# Altium PCB PCB1.PcbDoc (part 2 of 4)
Units mm, origin at the board's own origin, x right, y up, seen from the top; angles counter-clockwise.
Board outline 125.6 x 103.5 mm, 2 copper layers (Top Layer, Bottom Layer); 202 components, 80 nets, 607 pads, 3510 vias.
Unrouted connection lines stored in the file: 2.
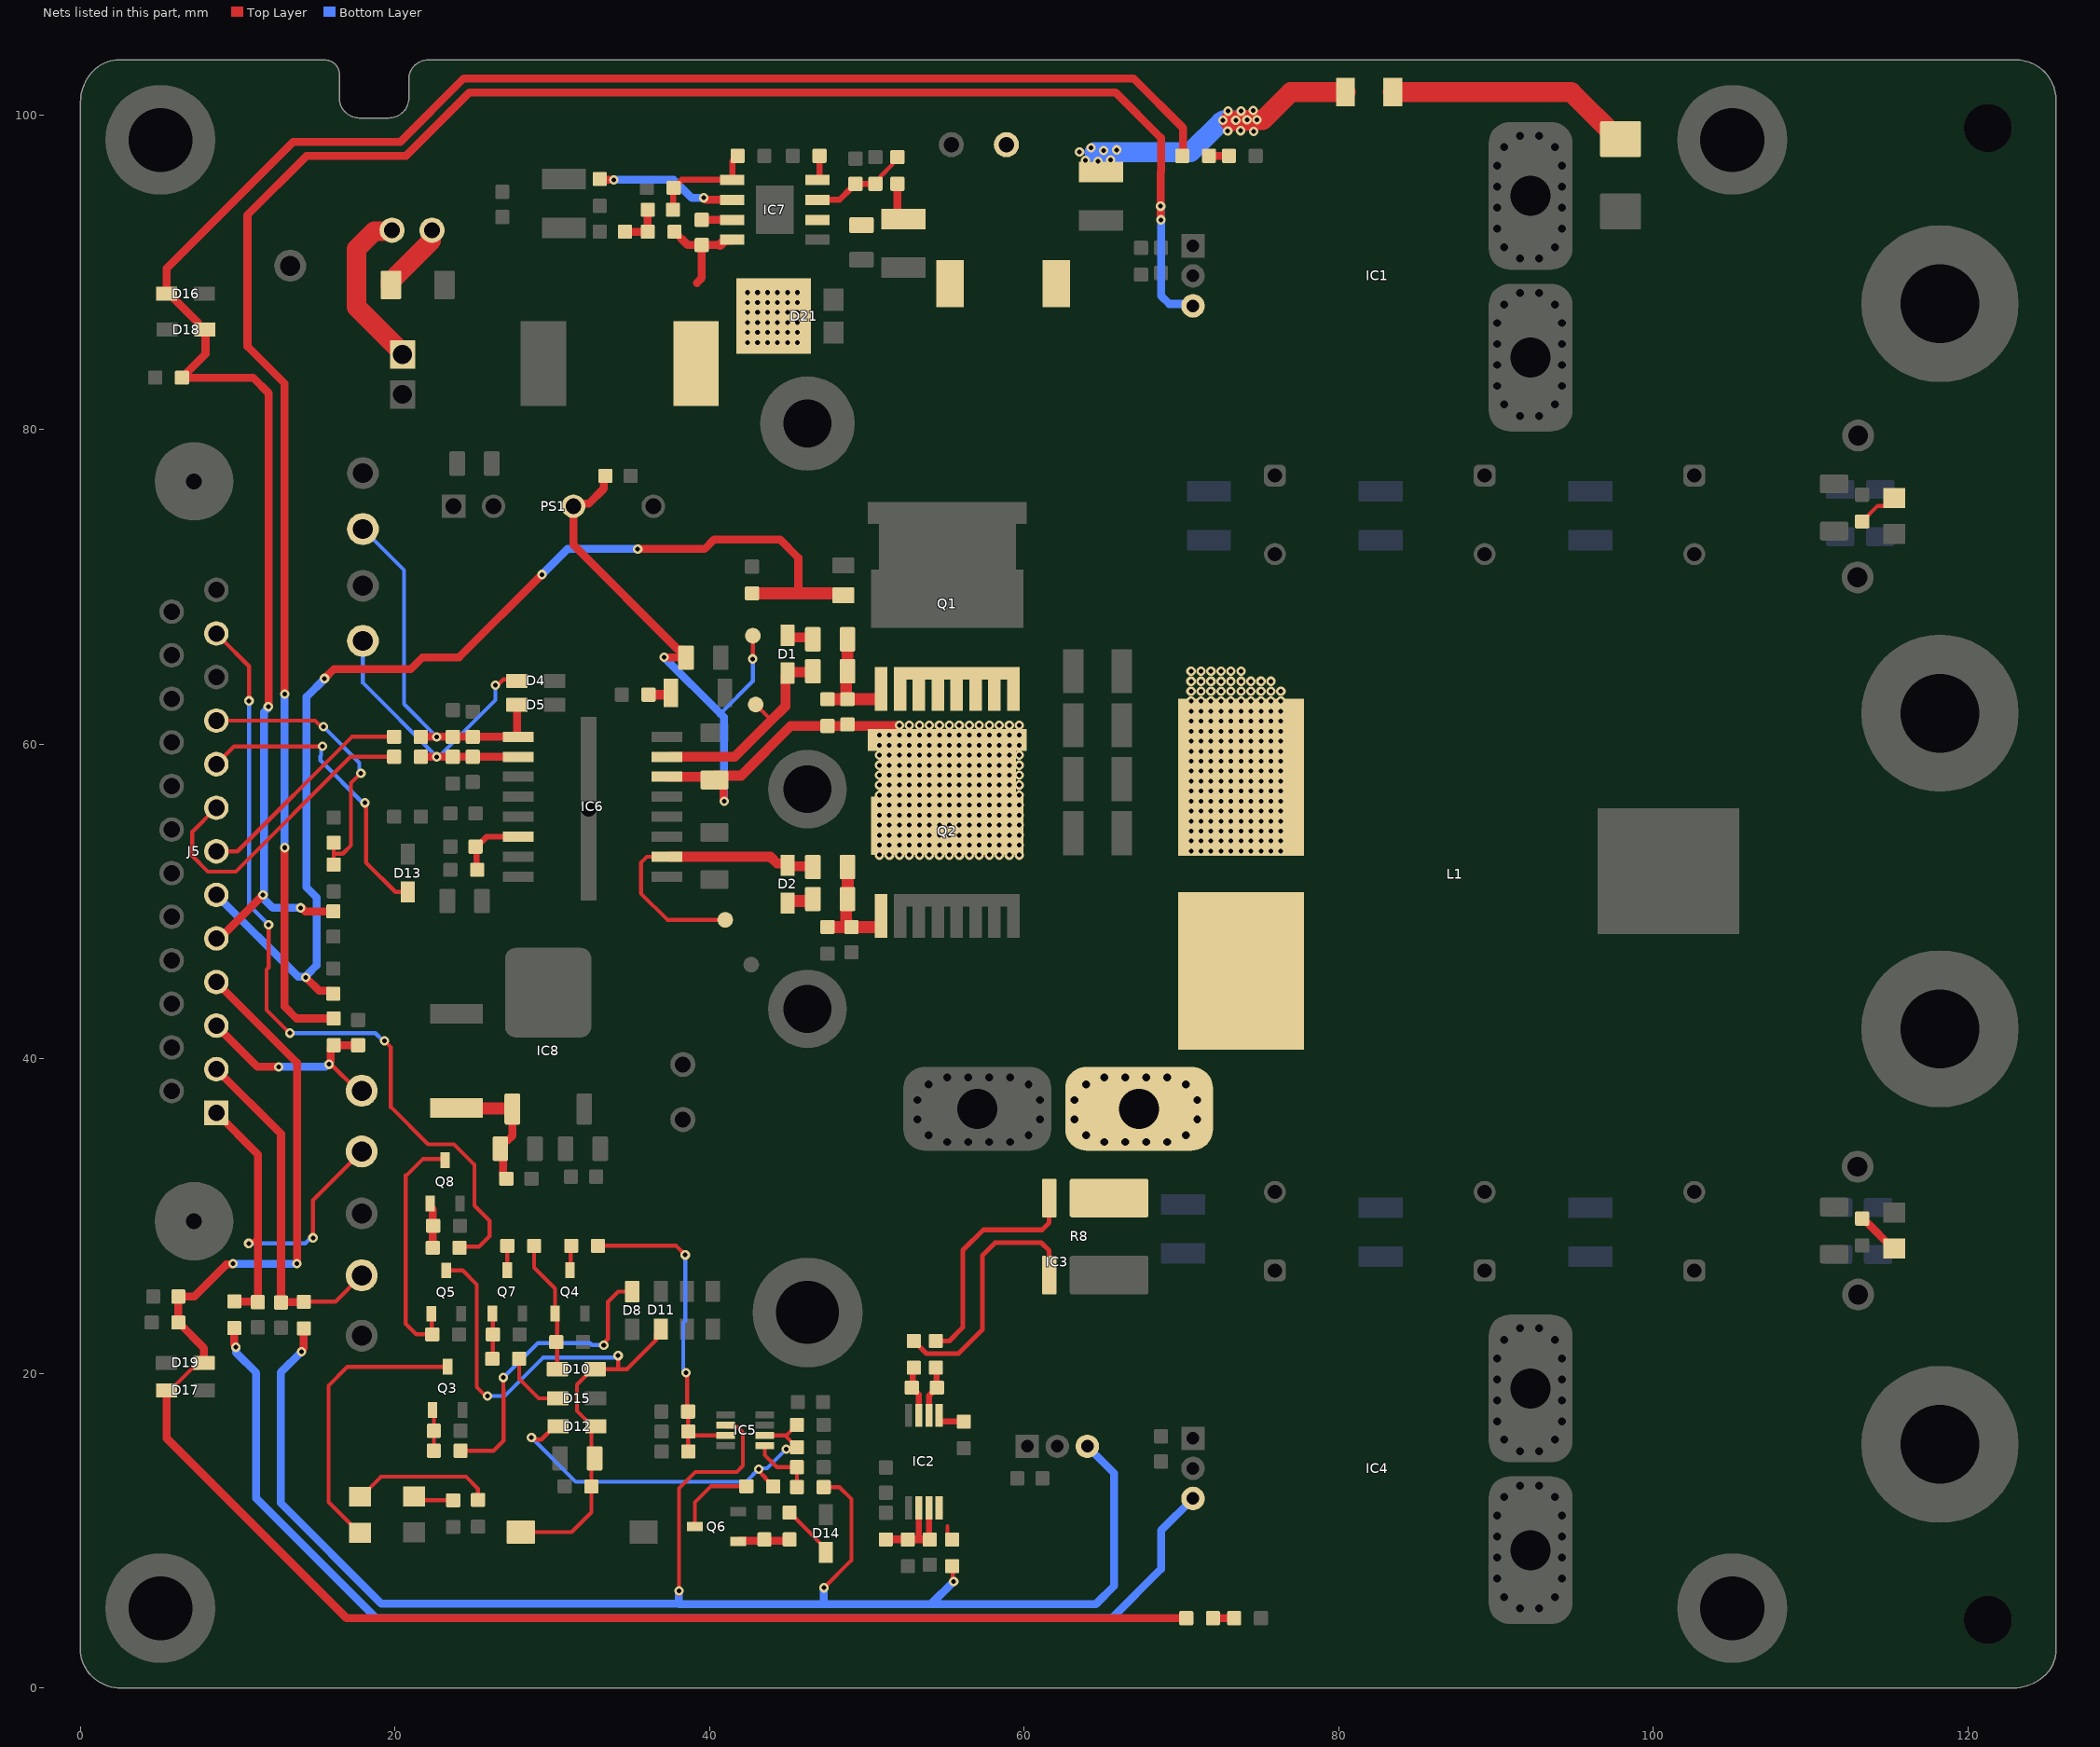
[diagram p2: the nets of this part, all layers, seen from the top]

## Via types
v1: diameter 0.6, hole 0.3, Top Layer to Bottom Layer, tented both sides, 3446 vias
v2: diameter 1.016, hole 0.762, Top Layer to Bottom Layer, tented both sides, 48 vias
v3: diameter 0.762, hole 0.762, Top Layer to Bottom Layer, tented both sides, 16 vias

## Nets (pads, with @x,y where several pads share a name; then routed paths per layer and width w, separated by ;. In a path a pad name is that pad's centre, name@x,y a point inside that pad or via, vN(x,y) a via of type N, cw(c..) or ccw(c..) an arc to the next point about the centre after c; other vN are vias at no path point) (continued)
EN/UVLO: C52.1 IC7.3 R59.1 R60.2 | length 6.3
  Top Layer w0.254: R60.2@50.546,95.631 50.869,95.954 50.869,96.102 51.62,96.853 51.62,97.135 R59.1@51.816,97.331
  Top Layer w0.381: IC7.3@46.863,94.615 48.26,94.615 49.02,95.375 C52.1@49.276,95.631 R60.2@50.546,95.631
FW_Reset: J5.12 R46.1 | length 52.2
  Top Layer w0.254: J5.12@8.636,67.046 8.9,67.046 8.9,66.782 10.719,64.963 v1(10.719,62.763) ; v1(11.963,48.535) 11.963,45.816 11.834,45.687 11.834,43.106 13.31,41.631 v1(13.319,41.64) ; v1(19.329,41.143) 19.736,40.736 19.736,36.932 22.099,34.568 23.75,34.568 25.044,33.274 25.044,30.674 26.01,29.709 26.01,28.727 25.349,28.067 24.171,28.067 R46.1@24.098,27.994
  Bottom Layer w0.254: v1(10.719,62.763) 10.719,49.78 v1(11.963,48.535) ; v1(13.319,41.64) 18.749,41.64 19.246,41.143 v1(19.329,41.143)
HI: J5.7 R28.1 | length 14.3
  Top Layer w0.254: J5.7@8.636,53.196 9.978,53.196 17.259,60.477 R28.1@19.94,60.477
HO: D1.2 IC6.15 R10.1 TP2.1 | length 13.8
  Top Layer w0.254: TP2.1@42.926,62.535 43.828,61.633 43.828,61.43
  Top Layer w0.635: IC6.15@37.541,59.207 41.605,59.207 43.828,61.43 44.825,62.428 44.825,64.396 D1.2@44.958,64.529 45.015,64.586 46.425,64.586 R10.1@46.482,64.643
HS: C14.1 C29.1 C61.1 C62.1 IC6.14 L1.1 PS1.4 Q1.2 Q1.3 Q1.4 Q1.5 Q1.6 Q1.7 Q1.8 Q1.A2 Q2.T1 Q2.T2 Q2.T3 R13.1 TP3.1 | length 51.7
  Top Layer w0.254: v1(42.748,65.43) TP3.1@42.748,66.904
  Top Layer w0.508: C62.1@33.376,77.064 33.277,76.965 33.277,76.254 32.311,75.288 31.498,75.288 PS1.4@31.344,75.133 31.344,72.669 37.985,66.028 38.26,66.028 38.506,65.782 C61.1@38.506,65.507 38.497,65.516 38.299,65.516 37.125,65.516 v1(37.116,65.526) ; C29.1@40.309,57.731 40.534,57.731 40.88,57.385 40.88,56.427 v1(40.926,56.382)
  Top Layer w0.635: IC6.14@37.287,57.937 40.055,57.937 40.182,57.81 40.386,58.014 42.012,58.014 45.163,61.165 R13.1@47.498,61.165 v1@51.865,61.165
  Bottom Layer w0.254: 40.691,61.951 42.748,64.008 v1(42.748,65.43)
  Bottom Layer w0.508: v1(37.116,65.526) 40.691,61.951 40.926,61.716 v1(40.926,56.382)
  other v1: 50.8,52.959 51.435,52.959 52.07,52.959 52.705,52.959 53.34,52.959 53.975,52.959 54.61,52.959 55.245,52.959 55.88,52.959 56.515,52.959 57.15,52.959 57.785,52.959 58.42,52.959 59.055,52.959 59.69,52.959 70.612,53.213 71.247,53.213 71.882,53.213 72.517,53.213 73.152,53.213 73.787,53.213 74.422,53.213 75.057,53.213 75.692,53.213 76.327,53.213 50.8,53.594 51.435,53.594 52.07,53.594 52.705,53.594 53.34,53.594 53.975,53.594 54.61,53.594 55.245,53.594 55.88,53.594 56.515,53.594 57.15,53.594 57.785,53.594 58.42,53.594 59.055,53.594 59.69,53.594 70.612,53.848 71.247,53.848 71.882,53.848 72.517,53.848 73.152,53.848 73.787,53.848 74.422,53.848 75.057,53.848 75.692,53.848 76.327,53.848 50.8,54.229 51.435,54.229 52.07,54.229 52.705,54.229 53.34,54.229 53.975,54.229 54.61,54.229 55.245,54.229 55.88,54.229 56.515,54.229 57.15,54.229 57.785,54.229 58.42,54.229 59.055,54.229 59.69,54.229 70.612,54.483 71.247,54.483 71.882,54.483 72.517,54.483 73.152,54.483 73.787,54.483 74.422,54.483 75.057,54.483 75.692,54.483 76.327,54.483 50.8,54.864 51.435,54.864 52.07,54.864 52.705,54.864 53.34,54.864 53.975,54.864 54.61,54.864 55.245,54.864 55.88,54.864 56.515,54.864 57.15,54.864 57.785,54.864 58.42,54.864 59.055,54.864 59.69,54.864 70.612,55.118 71.247,55.118 71.882,55.118 72.517,55.118 73.152,55.118 73.787,55.118 74.422,55.118 75.057,55.118 75.692,55.118 76.327,55.118 50.8,55.499 51.435,55.499 52.07,55.499 52.705,55.499 53.34,55.499 53.975,55.499 54.61,55.499 55.245,55.499 55.88,55.499 56.515,55.499 57.15,55.499 57.785,55.499 58.42,55.499 59.055,55.499 59.69,55.499 70.612,55.753 71.247,55.753 71.882,55.753 72.517,55.753 73.152,55.753 73.787,55.753 74.422,55.753 75.057,55.753 75.692,55.753 76.327,55.753 50.8,56.134 51.435,56.134 52.07,56.134 52.705,56.134 53.34,56.134 53.975,56.134 54.61,56.134 55.245,56.134 55.88,56.134 56.515,56.134 57.15,56.134 57.785,56.134 58.42,56.134 59.055,56.134 59.69,56.134 70.612,56.388 71.247,56.388 71.882,56.388 72.517,56.388 73.152,56.388 73.787,56.388 74.422,56.388 75.057,56.388 75.692,56.388 76.327,56.388 50.8,56.769 51.435,56.769 52.07,56.769 52.705,56.769 53.34,56.769 53.975,56.769 54.61,56.769 55.245,56.769 55.88,56.769 56.515,56.769 57.15,56.769 57.785,56.769 58.42,56.769 59.055,56.769 59.69,56.769 70.612,57.023 71.247,57.023 71.882,57.023 72.517,57.023 73.152,57.023 73.787,57.023 74.422,57.023 75.057,57.023 75.692,57.023 76.327,57.023 50.8,57.404 51.435,57.404 52.07,57.404 52.705,57.404 53.34,57.404 53.975,57.404 54.61,57.404 55.245,57.404 55.88,57.404 56.515,57.404 57.15,57.404 57.785,57.404 58.42,57.404 59.055,57.404 59.69,57.404 70.612,57.658 71.247,57.658 71.882,57.658 72.517,57.658 73.152,57.658 73.787,57.658 74.422,57.658 75.057,57.658 75.692,57.658 76.327,57.658 50.8,58.039 51.435,58.039 52.07,58.039 52.705,58.039 53.34,58.039 53.975,58.039 54.61,58.039 55.245,58.039 55.88,58.039 56.515,58.039 57.15,58.039 57.785,58.039 58.42,58.039 59.055,58.039 59.69,58.039 70.612,58.293 71.247,58.293 71.882,58.293 72.517,58.293 73.152,58.293 73.787,58.293 74.422,58.293 75.057,58.293 75.692,58.293 76.327,58.293 50.8,58.674 51.435,58.674 52.07,58.674 52.705,58.674 53.34,58.674 53.975,58.674 54.61,58.674 55.245,58.674 55.88,58.674 56.515,58.674 57.15,58.674 57.785,58.674 58.42,58.674 59.055,58.674 59.69,58.674 70.612,58.928 71.247,58.928 71.882,58.928 72.517,58.928 73.152,58.928 73.787,58.928 74.422,58.928 75.057,58.928 75.692,58.928 76.327,58.928 50.8,59.309 51.435,59.309 52.07,59.309 52.705,59.309 53.34,59.309 53.975,59.309 54.61,59.309 55.245,59.309 55.88,59.309 56.515,59.309 57.15,59.309 57.785,59.309 58.42,59.309 59.055,59.309 59.69,59.309 70.612,59.563 71.247,59.563 71.882,59.563 72.517,59.563 73.152,59.563 73.787,59.563 74.422,59.563 75.057,59.563 75.692,59.563 76.327,59.563 50.8,59.944 51.435,59.944 52.07,59.944 52.705,59.944 53.34,59.944 53.975,59.944 54.61,59.944 55.245,59.944 55.88,59.944 56.515,59.944 57.15,59.944 57.785,59.944 58.42,59.944 59.055,59.944 59.69,59.944 70.612,60.198 71.247,60.198 71.882,60.198 72.517,60.198 73.152,60.198 73.787,60.198 74.422,60.198 75.057,60.198 75.692,60.198 76.327,60.198 50.8,60.579 51.435,60.579 52.07,60.579 52.705,60.579 53.34,60.579 53.975,60.579 54.61,60.579 55.245,60.579 55.88,60.579 56.515,60.579 57.15,60.579 57.785,60.579 58.42,60.579 59.055,60.579 59.69,60.579 70.612,60.833 71.247,60.833 71.882,60.833 72.517,60.833 73.152,60.833 73.787,60.833 74.422,60.833 75.057,60.833 75.692,60.833 76.327,60.833 52.07,61.214 52.705,61.214 53.34,61.214 53.975,61.214 54.61,61.214 55.245,61.214 55.88,61.214 56.515,61.214 57.15,61.214 57.785,61.214 58.42,61.214 59.055,61.214 59.69,61.214 70.612,61.468 71.247,61.468 71.882,61.468 72.517,61.468 73.152,61.468 73.787,61.468 74.422,61.468 75.057,61.468 75.692,61.468 76.327,61.468 70.612,62.103 71.247,62.103 71.882,62.103 72.517,62.103 73.152,62.103 73.787,62.103 74.422,62.103 75.057,62.103 75.692,62.103 76.327,62.103 70.612,62.738 71.247,62.738 71.882,62.738 72.517,62.738 73.152,62.738 73.787,62.738 74.422,62.738 75.057,62.738 75.692,62.738 76.327,62.738 70.612,63.373 71.247,63.373 71.882,63.373 72.517,63.373 73.152,63.373 73.787,63.373 74.422,63.373 75.057,63.373 75.692,63.373 76.327,63.373 70.612,64.008 71.247,64.008 71.882,64.008 72.517,64.008 73.152,64.008 73.787,64.008 74.422,64.008 75.057,64.008 75.692,64.008 70.612,64.643 71.247,64.643 71.882,64.643 72.517,64.643 73.152,64.643 73.787,64.643
HW_Reset: C36.2 D10.1 D11.1 D12.1 Q5.3 R37.2 SW1.1 | length 41
  Top Layer w0.254: Q5.3@23.256,26.55 24.301,26.55 25.197,25.654 25.197,19.139 25.768,18.567 v1(25.883,18.567) ; SW1.1@28.002,9.916 31.227,9.916 32.487,11.176 R37.2@32.487,12.827 32.487,14.605 32.487,16.351 D12.1@32.772,16.637 32.547,16.637 31.564,17.62 31.564,19.296 32.173,19.905 32.173,19.946 32.496,20.269 D10.1@32.721,20.269 34.087,20.269 ; v1(34.188,21.133) 34.188,20.371 34.087,20.269 ; D11.1@36.906,22.822 36.583,22.499 36.583,22.105 34.747,20.269 34.188,20.269 34.087,20.269
  Bottom Layer w0.254: v1(25.883,18.567) 26.975,18.567 29.413,21.006 34.061,21.006 v1(34.188,21.133)
I_Inductor: IC3.3 IC5.2 R1.1 R25.2 R56.1 | length 105.8
  Top Layer w0.254: v1(38.049,6.172) 38.049,5.944 38.054,5.948 38.054,6.172 38.054,12.705 39.091,13.741 41.732,13.741 42.124,14.133 42.124,16.246 41.759,16.61 41.114,16.61 IC5.2@41.016,16.708 ; R25.2@47.255,12.776 48.26,12.776 49.022,12.014 49.022,8.128 v1(47.269,6.375) ; R1.1@55.423,7.749 55.474,7.698 55.474,6.833 v1(55.524,6.782)
  Top Layer w0.508: v1(14.046,21.387) 14.046,21.456 14.199,21.608 R56.1@14.199,22.862 ; R25.2@47.255,12.776 R25.2@47.262,12.769 ; v1@47.262,6.382 v1(47.269,6.375)
  Bottom Layer w0.508: v1(14.046,21.387) 12.725,20.066 12.725,11.773 19.142,5.356 38.049,5.356 v1(38.049,6.172) ; 38.071,5.334 47.269,5.334 ; v1(47.269,6.375) 47.269,5.334 ; v1(55.524,6.782) 54.077,5.334 ; IC3.3@64.018,15.367 65.732,13.653 65.732,6.499 64.567,5.334 54.077,5.334 ; 47.269,5.334 54.077,5.334
I_Input: IC1.3 R49.1 | length 130.5
  Top Layer w0.508: v1(12.979,63.195) 12.979,82.931 10.617,85.293 10.617,93.65 14.376,97.409 20.701,97.409 24.74,101.448 65.808,101.448 68.707,98.548 68.707,96.404 68.682,96.378 v1(68.682,94.209) 68.694,94.196 68.694,93.358 v1(68.707,93.345) ; v1(12.99,53.431) 12.979,53.42 12.979,43.321 13.732,42.569 R49.1@16.104,42.569
  Bottom Layer w0.508: v1(12.979,63.195) 12.985,63.19 12.985,53.436 v1(12.99,53.431) ; v1(68.682,94.209) 68.694,94.196 68.694,93.358 v1(68.707,93.345) 68.707,88.519 69.227,87.999 70.612,87.999 IC1.3@70.739,87.872
I_Output: IC4.3 R50.1 | length 78.7
  Top Layer w0.508: R50.1@9.779,22.885 9.779,21.837 9.881,21.735 v1(9.881,21.666)
  Bottom Layer w0.508: v1(9.881,21.666) 9.881,21.336 11.176,20.041 11.176,18.771 11.176,12.065 18.796,4.445 65.583,4.445 68.707,7.569 68.707,10.023 IC4.3@70.739,12.055
INA+: IC5.3 R19.2 R20.1 R24.1 R43.1 | length 21
  Top Layer w0.254: R43.1@32.904,28.118 37.871,28.118 v1(38.456,27.534) ; v1(38.504,20.056) 38.569,19.991 38.569,17.642 38.64,17.57 38.64,16.307 38.64,15.043 R20.1@38.646,15.037 ; R24.1@38.646,16.307 38.895,16.058 IC5.3@41.016,16.058
  Bottom Layer w0.254: v1(38.456,27.534) 38.456,23.337 38.329,23.21 38.329,20.056 v1(38.504,20.056)
INB-: D12.2 IC5.6 R21.2 R22.1 R36.2 | length 25.9
  Top Layer w0.254: v1(28.677,15.928) 28.814,15.928 28.948,15.794 29.304,15.794 30.147,16.637 D12.2@30.372,16.637 ; v1(43.134,13.926) 43.134,13.788 43.553,13.37 43.553,13.316 R36.2@44.042,12.827 ; IC5.6@43.516,16.058 44.813,16.058 ; v1(44.878,15.197) 44.937,15.256 45.495,15.256 45.495,15.376 44.813,16.058 ; R21.2@45.557,16.739 44.876,16.058 44.813,16.058
  Bottom Layer w0.254: v1(28.677,15.928) 31.488,13.117 42.325,13.117 v1(43.134,13.926) 43.183,13.975 43.655,13.975 v1(44.878,15.197)
LI: J5.8 R29.1 | length 20
  Top Layer w0.254: J5.8@8.636,55.966 7.112,54.442 7.112,52.898 8.102,51.908 9.871,51.908 17.17,59.207 R29.1@19.94,59.207
LO: D2.2 IC6.10 R17.1 TP5.1 | length 19.2
  Top Layer w0.254: IC6.10@37.287,52.857 36.017,52.857 35.636,52.476 35.636,50.521 37.313,48.844 TP5.1@40.996,48.844
  Top Layer w0.635: IC6.10@37.501,52.857 43.866,52.857 44.298,52.426 44.843,52.426 D2.2@44.958,52.311 ; D2.2@45.015,52.479 45.015,52.254 46.425,52.254 R17.1@46.482,52.197
NetC5_1: C5.1 IC2.2 R3.1 | length 3.3
  Top Layer w0.381: IC2.2@53.944,17.34 53.944,18.588 C5.1@54.457,19.101 ; C5.1@54.419,19.139 R3.1@54.419,20.333
  Top Layer w0.508: R3.1@54.381,20.371 R3.1@54.419,20.333 ; C5.1@54.419,19.139 C5.1@54.457,19.101
NetC5_2: C5.2 IC2.3 R6.1 | length 3.3
  Top Layer w0.381: C5.2@52.857,19.101 53.294,18.664 IC2.3@53.294,17.34 ; C5.2@52.921,19.164 R6.1@52.921,20.307
  Top Layer w0.508: C5.2@52.857,19.101 C5.2@52.921,19.164 ; R6.1@52.921,20.307 R6.1@52.984,20.371
NetC6_2: C6.2 IC2.6 IC2.7 R4.2 R5.2 | length 6.9
  Top Layer w0.381: IC2.6@53.294,11.464 53.294,9.456 53.302,9.449 ; IC2.7@53.944,11.464 53.944,9.505 C6.2@54,9.449
  Top Layer w0.508: R4.2@51.206,9.449 R5.2@52.603,9.449 53.302,9.449 C6.2@54,9.449
NetC14_2: C14.2 Q1.1 R7.2 R10.2 R13.2 | length 7.2
  Top Layer w0.762: R13.2@47.498,62.865 C14.2@48.768,62.865 ; R10.2@48.682,64.643 48.682,62.951 C14.2@48.768,62.865 ; R10.2@48.768,64.643 R7.2@48.768,66.675 ; Q1.1@50.899,62.865 C14.2@48.768,62.865
NetC28_2: C28.2 Q2.1 R15.2 R17.2 R18.2 | length 8.1
  Top Layer w0.762: R18.2@47.498,48.387 C28.2@49.022,48.387 ; R15.2@48.682,50.165 48.682,48.727 C28.2@49.022,48.387 ; R15.2@48.768,50.165 48.791,50.188 48.791,52.174 R17.2@48.768,52.197 ; Q2.1@50.918,49.083 50.918,48.406 50.899,48.387 C28.2@49.022,48.387
NetC32_1: C32.1 J5.10 R31.2 | length 18.5
  Top Layer w0.254: J5.10@8.636,61.506 14.912,61.506 15.306,61.112 v1(15.443,61.112) ; R31.2@16.104,52.349 16.104,53.048 ; C32.1@16.104,53.746 16.104,53.048 ; v1(17.831,58.166) 17.818,58.166 17.196,57.544 17.196,53.569 16.675,53.048 16.104,53.048
  Bottom Layer w0.254: v1(15.443,61.112) 17.734,58.822 17.734,58.263 v1(17.831,58.166)
NetC33_1: C33.1 D4.1 IC6.2 R29.2 R32.2 TP11.1 | length 22.6
  Top Layer w0.254: v1(26.383,63.754) 26.521,63.754 26.894,64.128 D4.1@27.197,64.128
  Top Layer w0.508: R29.2@21.64,59.207 v1(22.656,59.207) R32.2@23.672,59.207 C33.1@24.942,59.207 IC6.2@27.837,59.207
  Bottom Layer w0.254: TP11.1@17.958,66.573 17.958,63.906 v1(22.656,59.207) 22.75,59.207 22.914,59.371 22.948,59.371 26.383,62.807 v1(26.383,63.754)
NetC34_1: C34.1 D5.1 IC6.1 R28.2 R33.2 TP9.1 | length 23.4
  Top Layer w0.508: R28.2@21.64,60.477 v1(22.656,60.477) R33.2@23.672,60.477 C34.1@24.942,60.477 IC6.1@27.757,60.477 ; D5.1@27.749,62.509 27.749,60.485 IC6.1@27.757,60.477 ; IC6.1@27.837,60.477 IC6.1@27.757,60.477
  Bottom Layer w0.254: TP9.1@17.958,73.685 20.574,71.069 20.574,62.56 v1(22.656,60.477)
NetC38_2: C38.2 IC6.6 R42.2 | length 4.4
  Top Layer w0.381: R42.2@25.22,52.019 25.17,52.069 25.17,53.467 25.831,54.127 IC6.6@27.837,54.127
NetC39_2: C39.2 J5.3 R49.2 TP13.1 | length 14
  Top Layer w0.254: v1(15.802,39.654) 15.94,39.654 17.621,37.973 TP13.1@17.881,37.973
  Top Layer w0.508: J5.3@8.636,42.116 11.26,39.492 v1(12.593,39.492) ; v1(15.802,39.654) 15.802,39.723 15.908,39.828 15.908,40.673 R49.2@16.104,40.869 C39.2@17.653,40.869
  Bottom Layer w0.508: v1(12.593,39.492) 15.571,39.492 15.734,39.654 v1(15.802,39.654)
NetC40_2: C40.2 J5.1 R50.2 TP14.1 | length 26.4
  Top Layer w0.254: v1(10.693,28.27) 10.831,28.27 11.212,28.651 11.278,28.651 ; v1(14.783,28.626) 14.783,31.013 TP14.1@17.882,34.112
  Top Layer w0.508: J5.1@8.636,36.576 11.278,33.934 11.278,28.651 11.278,28.448 C40.2@11.278,24.536 11.253,24.561 9.803,24.561 R50.2@9.779,24.585
  Bottom Layer w0.254: v1(10.693,28.27) 14.29,28.27 14.645,28.626 v1(14.783,28.626)
NetC41_2: C41.2 J5.6 NTC1.2 R51.1 | length 71.6
  Top Layer w0.508: v1(14.326,45.182) 15.167,44.341 15.882,44.341 C41.2@16.078,44.145 ; v1(15.519,64.186) 16.104,64.77 20.993,64.77 21.755,65.532 24.079,65.532 v1(29.342,70.794) ; v1(35.433,72.415) 39.684,72.415 40.293,73.025 44.475,73.025 45.644,71.857 45.644,69.598
  Top Layer w0.762: R51.1@42.697,69.598 45.644,69.598 47.674,69.598 47.676,69.596
  Bottom Layer w0.508: J5.6@8.636,50.426 13.831,45.231 14.277,45.231 v1(14.326,45.182) 14.326,45.251 14.453,45.378 14.453,45.39 15.011,45.949 15.011,50.267 14.376,50.902 14.376,63.017 15.519,64.16 v1(15.519,64.186) ; v1(29.342,70.794) 30.963,72.415 v1(35.433,72.415)
NetC42_2: C42.2 D16.1 D18.2 J5.5 R54.1 R57.2 | length 128.6
  Top Layer w0.508: J5.5@8.636,47.656 8.839,47.656 v1(11.608,50.425) ; v1(11.938,62.395) 11.963,62.42 11.963,82.321 10.973,83.312 R57.2@6.45,83.312 7.95,84.812 7.95,86.315 D18.2@7.906,86.36 7.681,86.36 7.485,86.556 7.485,86.781 5.901,88.364 5.901,88.45 5.699,88.652 5.474,88.652 5.474,90.259 13.513,98.298 20.333,98.298 24.371,102.337 66.954,102.337 70.104,99.187 R54.1@70.104,97.419 ; v1(13.995,49.606) 14.064,49.606 14.293,49.377 C42.2@16.078,49.377
  Bottom Layer w0.508: v1@11.481,50.348 12.223,49.606 v1(13.995,49.606) ; v1(11.608,50.425) 11.656,50.473 11.656,51.54 11.659,51.542 11.659,62.047 11.938,62.326 v1(11.938,62.395)
NetC43_2: C43.2 D17.1 D19.2 J5.4 R55.1 R58.2 | length 109.1
  Top Layer w0.254: D17.1@5.474,18.923 5.699,18.923 7.129,20.353 7.532,20.353 D19.2@7.855,20.676
  Top Layer w0.508: D17.1@5.474,18.923 5.474,15.887 16.916,4.445 R55.1@70.309,4.445 ; D19.2@7.855,20.676 7.855,21.609 R58.2@6.223,23.241 C43.2@6.223,24.892 7.239,24.892 9.273,26.926 9.654,26.926 v1(9.703,26.975) ; J5.4@8.636,44.886 13.767,39.755 v1(13.767,26.975)
  Bottom Layer w0.508: v1(9.703,26.975) v1(13.767,26.975)
NetC44_2: C44.2 J5.2 R56.2 TP17.1 | length 22.4
  Top Layer w0.254: R56.2@14.199,24.562 16.205,24.562 TP17.1@17.882,26.238
  Top Layer w0.508: J5.2@8.636,39.346 12.751,35.231 C44.2@12.751,24.511 12.776,24.536 14.173,24.536 R56.2@14.199,24.562
NetC45_1: C45.1 D21.3 IC7.8 L3.1 R61.2 | length 6.7
  Top Layer w0.508: R61.2@37.768,92.583 38.606,91.745 C45.1@39.497,91.745 ; 39.192,89.332 39.497,89.637 C45.1@39.497,91.745 ; 40.671,91.745 C45.1@39.497,91.745
  Top Layer w0.635: 40.671,91.745 41.001,92.075 IC7.8@41.439,92.075
  other v1: 42.414,85.549 43.049,85.549 43.684,85.549 44.319,85.549 44.954,85.549 45.589,85.549 42.414,86.184 43.049,86.184 43.684,86.184 44.319,86.184 44.954,86.184 45.589,86.184 42.414,86.819 43.049,86.819 43.684,86.819 44.319,86.819 44.954,86.819 45.589,86.819 42.414,87.454 43.049,87.454 43.684,87.454 44.319,87.454 44.954,87.454 45.589,87.454 42.414,88.089 43.049,88.089 43.684,88.089 44.319,88.089 44.954,88.089 45.589,88.089 42.414,88.724 43.049,88.724 43.684,88.724 44.319,88.724 44.954,88.724 45.589,88.724
NetC45_2: C45.2 IC7.7 | length 1.9
  Top Layer w0.508: C45.2@39.497,93.345 IC7.7@41.439,93.345
NetC46_1: C46.1 C47.2 C48.2 IC7.2 L2.2 R59.2 | length 2.4
  Top Layer w0.508: R59.2@51.943,95.631 51.943,93.778 C47.2@52.324,93.397
NetC49_2: C49.2 FB1.2 L2.1 | length 17.8
  Top Layer w1.27: 73.076,99.619 74.092,99.619 v1(74.168,99.695) 75.184,99.695 76.962,101.473 FB1.2@80.439,101.473
  Bottom Layer w1.27: 64.465,97.638 65.888,97.638 70.587,97.638 v1@72.517,99.568 ; v1(72.644,99.67) 72.974,99.67 v1(73.457,99.67)
  other v1: 64.694,97.053 63.906,97.13 65.507,97.155 63.525,97.663 65.049,97.739 65.888,97.79 64.262,97.917 74.6,98.958 72.949,98.984 73.762,99.009 74.803,99.695 72.974,100.254 73.787,100.254 74.574,100.305
NetC53_1: C53.1 C54.2 R61.1 | length 2.8
  Top Layer w0.508: C53.1@34.62,92.583 R61.1@36.068,92.583 C54.2@36.068,93.98
NetC54_1: C54.1 IC7.5 R63.1 R64.2 | length 7
  Top Layer w0.381: C54.1@37.668,93.98 37.694,94.005 37.694,95.352 38.227,95.885 IC7.5@41.439,95.885 41.439,97.065 R64.2@41.783,97.409
NetC55_2: C55.2 C56.2 IC8.1 R66.2 | length 8.6
  Top Layer w0.508: C55.2@27.076,32.385 26.88,32.581 26.88,34.105 C56.2@26.695,34.29 26.695,34.565 26.941,34.811 27.161,34.811 27.458,35.109 IC8.1@27.458,36.813
  Top Layer w0.762: R66.2@23.901,36.878 23.934,36.846 27.426,36.846 IC8.1@27.458,36.813
NetD1_1: D1.1 R7.1 | length 1.6
  Top Layer w0.635: D1.1@44.958,66.929 45.085,66.802 46.355,66.802 R7.1@46.482,66.675
NetD2_1: D2.1 R15.1 | length 1.8
  Top Layer w0.762: D2.1@44.958,49.911 44.958,49.969 45.027,50.038 46.449,50.038 46.568,50.157 R15.1@46.568,50.165
NetD3_1: D3.1 R23.2 | length 1.4
  Top Layer w0.635: R23.2@36.118,63.155 D3.1@37.515,63.155
NetD7_1: D7.1 Q3.3 | length 18.3
  Top Layer w0.254: D7.1@17.78,9.881 17.716,9.881 15.773,11.824 15.773,19.228 16.971,20.425 Q3.3@23.343,20.425
NetD7_2: D7.2 R26.1 | length 9
  Top Layer w0.254: D7.2@17.78,12.167 17.843,12.167 19.113,13.437 24.511,13.437 25.273,12.675 R26.1@25.273,11.963
NetD8_2: D8.2 R30.2 | length 19
  Top Layer w0.254: R30.2@24.167,15.088 26.264,15.088 26.899,15.723 26.899,18.952 26.891,18.96 v1(26.891,19.741) ; v1(33.27,21.793) 33.27,21.93 33.539,22.2 33.539,24.548 34.195,25.203 D8.2@35.077,25.203
  Bottom Layer w0.254: v1(26.891,19.741) 29.086,21.935 32.381,21.935 32.508,21.808 33.255,21.808 v1(33.27,21.793)
NetD10_2: D10.2 Q4.1 R35.1 R38.2 | length 8.5
  Top Layer w0.254: R38.2@28.84,28.118 28.84,26.735 30.176,25.399 Q4.1@30.176,23.822 30.315,23.683 30.315,20.275 D10.2@30.321,20.269
NetD13_1: D13.1 J5.9 | length 19.4
  Top Layer w0.254: J5.9@8.636,58.736 9.768,59.868 v1(15.392,59.868) ; v1(18.085,56.279) 18.161,56.203 18.161,52.476 20.021,50.616 D13.1@20.803,50.616
  Bottom Layer w0.254: v1(15.392,59.868) 15.295,59.771 15.295,59.277 15.251,59.233 15.251,58.979 17.951,56.279 v1(18.085,56.279)
NetD14_2: D14.2 R41.1 | length 3.5
  Top Layer w0.254: R41.1@45.085,11.151 45.408,10.828 45.424,10.828 47.396,8.855 D14.2@47.396,8.63
NetD15_2: D15.2 R44.1 | length 4.2
  Top Layer w0.254: R44.1@27.887,20.93 27.887,19.661 29.134,18.415 D15.2@30.347,18.415
NetD20_2: D20.2 FB1.1 | length 15.7
  Top Layer w1.27: FB1.1@83.439,101.473 94.78,101.473 97.777,98.476 D20.2@97.927,98.476
NetD22_2: D22.2 R67.1 | length 2.6
  Top Layer w0.254: D22.2@21.209,12.192 21.463,11.938 R67.1@23.698,11.938
NetF1_2: F1.2 J6.1 | length 4.6
  Top Layer w1.27: F1.2@19.739,89.205 19.739,89.455 22.289,92.004 22.289,92.621 J6.1@22.352,92.685
NetIC2_1: IC2.1 R2.1 | length 1.9
  Top Layer w0.381: IC2.1@54.594,17.34 54.594,16.976 54.629,16.942 R2.1@56.159,16.942
NetIC2_8: IC2.8 R1.2 | length 1
  Top Layer w0.254: 55.125,10.28 55.125,9.746 R1.2@55.423,9.449
  Top Layer w0.381: IC2.8@54.594,11.24 IC2.8@54.629,11.206
NetIC3_4: IC3.4 L1.2 R8.I1
NetIC5_5: IC5.5 R25.1 R27.1 | length 4.2
  Top Layer w0.254: IC5.5@43.516,15.408 43.516,14.802 43.812,14.506 43.824,14.506 44.283,14.046 R27.1@45.555,14.046 R25.1@45.555,12.776
NetIC7_4: IC7.4 R62.2 | length 1.6
  Top Layer w0.381: IC7.4@46.863,95.885 46.99,96.012 R62.2@46.99,97.409
NetIC7_6: IC7.6 R65.2 | length 9
  Top Layer w0.508: R65.2@33.02,95.934 33.069,95.885 v1(33.909,95.885) ; v1(39.624,94.742) 39.649,94.742 39.776,94.615 IC7.6@41.439,94.615
  Bottom Layer w0.508: v1(33.909,95.885) 37.719,95.885 38.862,94.742 v1(39.624,94.742)
NetJ6_2: J6.2 J7.1 | length 10.7
  Top Layer w1.27: J6.2@19.812,92.685 19.749,92.621 18.682,92.621 17.551,91.491 17.551,87.806 20.472,84.885 J7.1@20.472,84.785
NetLED1_1: LED1.1 R11.2 | length 2.7
  Top Layer w0.254: R11.2@113.284,74.168 114.275,75.159 114.808,75.159 LED1.1@115.316,75.667
NetLED2_1: LED2.1 R14.2 | length 2.8
  Top Layer w0.508: R14.2@113.284,29.845 113.48,29.649 113.544,29.649 115.252,27.94 LED2.1@115.316,27.94
NetQ3_1: Q3.1 R30.1 R34.1 | length 2.6
  Top Layer w0.254: Q3.1@22.279,17.65 22.279,17.45 22.467,17.262 R34.1@22.467,16.358 R30.1@22.467,15.088
NetQ4_3: Q4.3 R43.2 | length 1.6
  Top Layer w0.254: Q4.3@31.126,26.572 31.165,26.611 31.165,28.079 R43.2@31.204,28.118
NetQ5_1: Q5.1 Q8.3 R40.1 | length 15.9
  Top Layer w0.254: 20.676,32.614 20.676,23.165 21.355,22.486 R40.1@22.367,22.486 22.337,22.516 22.337,23.769 Q5.1@22.306,23.8 ; 20.752,32.614 21.768,33.63 23.012,33.63 23.012,33.782 23.089,33.706 23.185,33.609 Q8.3@23.185,33.56
NetQ6_1: Q6.1 R41.2 R45.2 | length 3.3
  Top Layer w0.508: Q6.1@41.812,9.312 41.858,9.358 44.992,9.358 R41.2@45.085,9.451
NetQ6_3: Q6.3 R36.1 | length 5.2
  Top Layer w0.254: Q6.3@39.062,10.262 39.062,11.808 40.081,12.827 R36.1@42.342,12.827
NetQ7_1: Q7.1 R44.2 R47.2 | length 2.7
  Top Layer w0.254: Q7.1@26.19,23.822 26.221,23.791 R47.2@26.221,22.477 26.221,21.163 R44.2@26.251,21.133
NetQ7_3: Q7.3 R38.1 | length 1.5
  Top Layer w0.254: Q7.3@27.14,26.572 R38.1@27.14,28.118
NetQ8_1: Q8.1 R46.2 R48.2 | length 2.9
  Top Layer w0.508: Q8.1@22.235,30.81 22.235,30.61 22.398,30.448 R46.2@22.398,27.994
NetR3_2: R3.2 R8.S1 | length 14.8
  Top Layer w0.305: R3.2@54.381,22.071 55.243,22.071 56.109,22.936 56.109,27.837 57.404,29.132 61.136,29.132 61.595,29.591 61.595,31.142 R8.S1@61.605,31.152
NetR6_2: R6.2 R8.S2 | length 16.4
  Top Layer w0.305: R6.2@52.984,22.071 53.795,21.26 55.829,21.26 57.353,22.784 57.353,27.508 58.166,28.321 61.087,28.321 61.595,27.813 61.595,26.262 R8.S2@61.605,26.252
NetR52_1: R52.1 R54.2 | length 1.3
  Top Layer w0.508: R54.2@71.755,97.409 R52.1@73.025,97.409
NetR53_1: R53.1 R55.2 | length 1.3
  Top Layer w0.508: R55.2@72.009,4.445 R53.1@73.357,4.445